# KiCad board mse-68-hd-panel.kicad_pcb (continued)
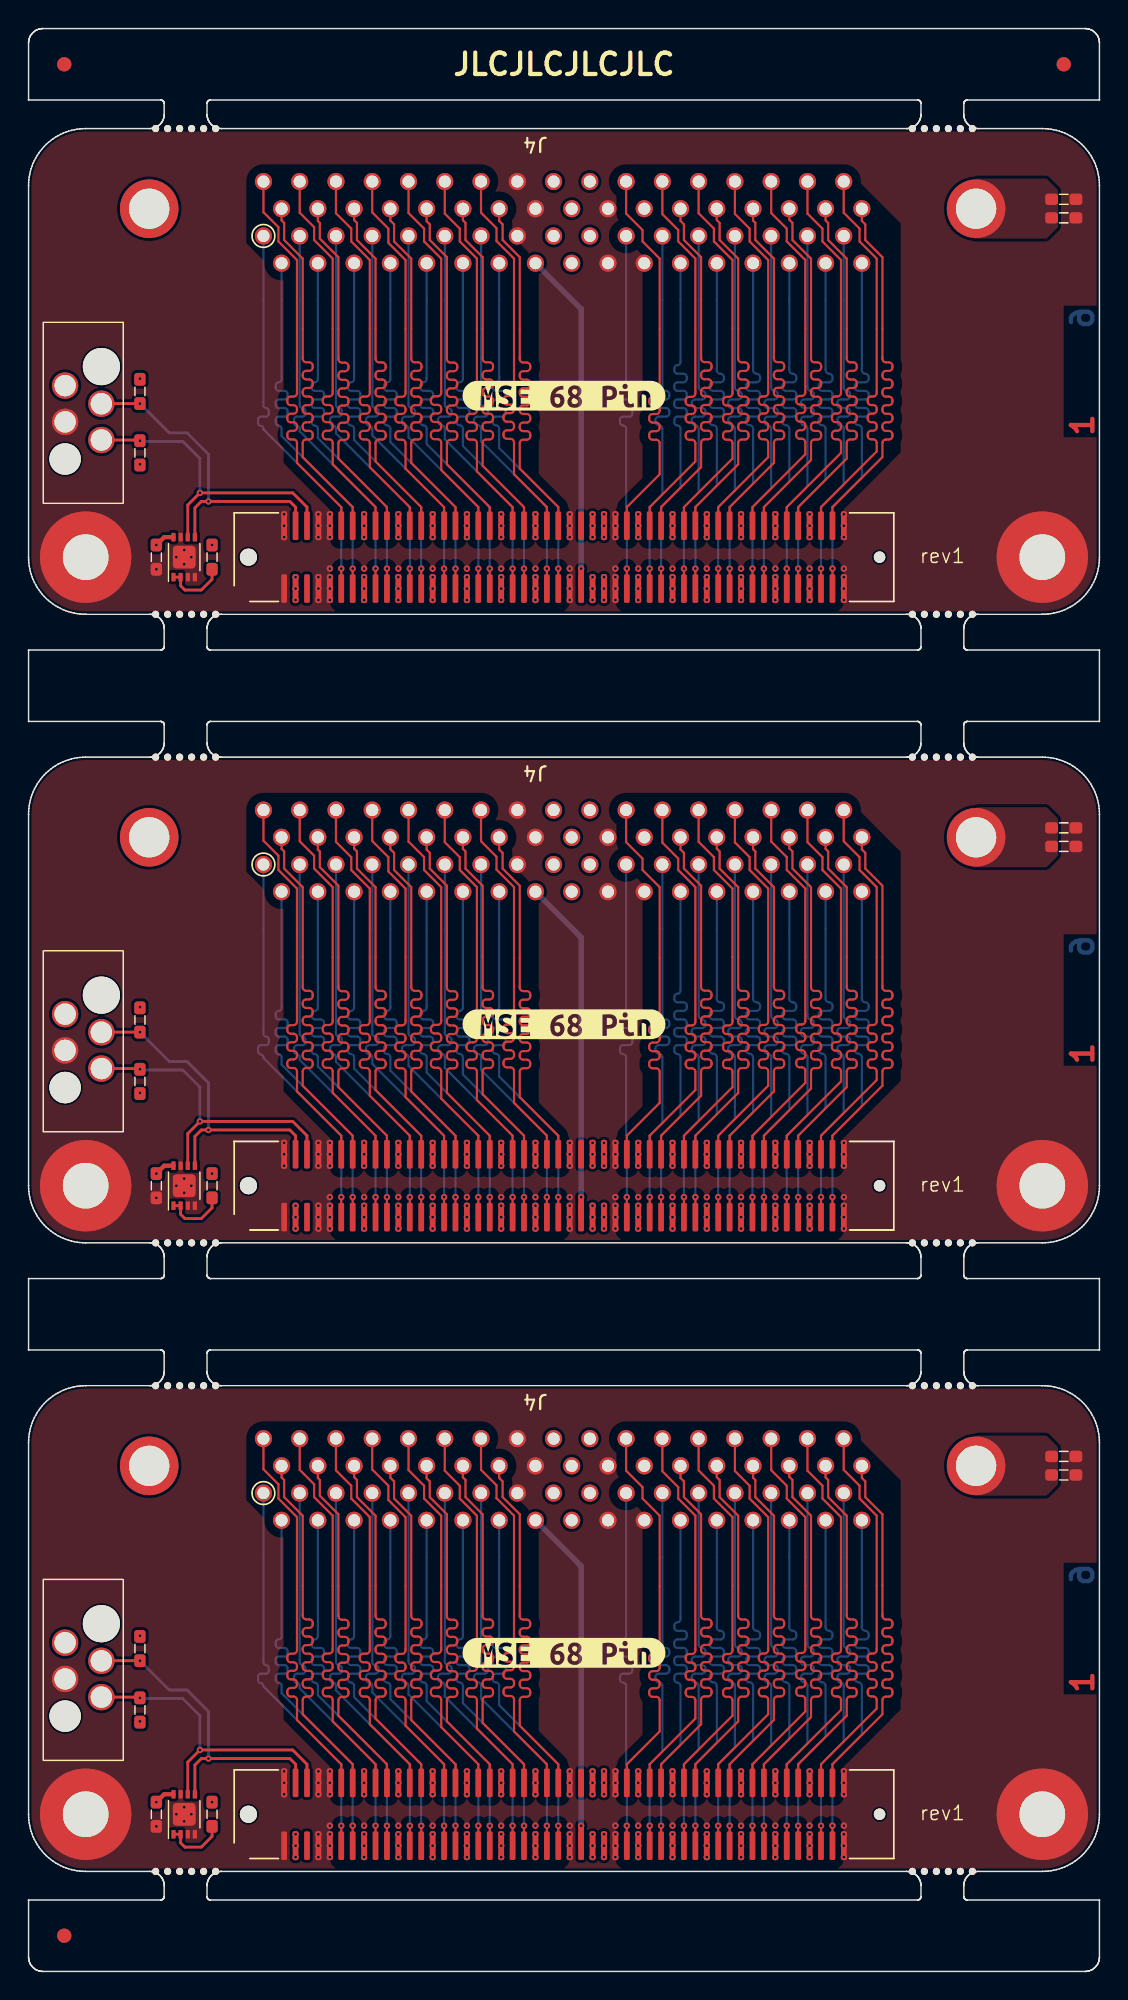
[diagram p0: board, top side]
## Routing (per net, layer and track width the routed paths; a pad name or vN(x,y) marks a point on that pad's centre or on a via; arc(x,y) is an arc through that point)
Board_0-+3V3: length 1.4
  Top w0.3: U1.8 9.5,100.4 v1(8.95,99.85)
  vias: v1(7.8,111.5) v1(7.8,105.5) v1(12.85,99.85) v1(18.7,97.6) v1(18.7,96.8) v1(18.7,96)
Board_0-/CON.ACK+: length 27.9
  Top w0.151: J1#2.67 v1(44.3,98.2)
  Bottom w0.151: J4.24 45.66,112.66 arc(45.6,112.51) 45.44,112.44 arc(45.29,112.38) 45.23,112.23 45.23,112.06 arc(45.29,111.91) 45.44,111.84 45.88,111.84 arc(46.03,111.78) 46.1,111.62 46.1,111.46 arc(46.03,111.31) 45.88,111.24 45.44,111.24 arc(45.29,111.18) 45.22,111.02 45.22,110.86 arc(45.29,110.71) 45.44,110.64 45.88,110.64 arc(46.03,110.58) 46.1,110.42 46.1,110.26 arc(46.03,110.11) 45.88,110.04 45.44,110.04 arc(45.29,109.98) 45.22,109.82 45.22,109.66 arc(45.29,109.51) 45.44,109.44 45.88,109.44 arc(46.03,109.38) 46.1,109.22 46.1,109.06 arc(46.03,108.91) 45.88,108.84 45.44,108.84 arc(45.29,108.78) 45.23,108.63 45.23,108.43 arc(45.29,108.28) 45.44,108.22 arc(45.6,108.15) 45.66,108 45.66,103.86 44.3,102.5 v1(44.3,98.2)
Board_0-/CON.ACK-: length 29.2
  Top w0.151: J4.58 45.66,122.54 45.9,122.3 45.9,121.2 47.1,120 47.1,112.89 arc(47.17,112.72) 47.34,112.65 47.59,112.65 arc(47.76,112.58) 47.83,112.41 47.83,112.29 arc(47.76,112.12) 47.59,112.05 47.34,112.05 arc(47.17,111.98) 47.1,111.81 47.1,111.69 arc(47.17,111.52) 47.34,111.45 47.59,111.45 arc(47.76,111.38) 47.83,111.21 47.83,111.09 arc(47.76,110.92) 47.59,110.85 47.34,110.85 arc(47.17,110.78) 47.1,110.61 47.1,110.49 arc(47.17,110.32) 47.34,110.25 47.59,110.25 arc(47.76,110.18) 47.83,110.01 47.83,109.89 arc(47.76,109.72) 47.59,109.65 47.34,109.65 arc(47.17,109.58) 47.1,109.41 47.1,109.29 arc(47.17,109.12) 47.34,109.05 47.59,109.05 arc(47.76,108.98) 47.83,108.81 47.83,108.69 arc(47.76,108.52) 47.59,108.45 47.34,108.45 arc(47.17,108.38) 47.1,108.21 47.1,108.09 arc(47.17,107.92) 47.34,107.85 47.59,107.85 arc(47.76,107.78) 47.83,107.61 47.83,107.49 arc(47.76,107.32) 47.59,107.25 47.34,107.25 arc(47.17,107.18) 47.1,107.01 47.1,105.3 44.3,102.5 J1#2.68
Board_0-/CON.ATN+: length 27.9
  Top w0.151: J1#2.61 v1(41.9,98.2)
  Bottom w0.151: v1(41.9,98.2) 41.9,102.5 41.85,102.55 41.85,108 arc(41.79,108.15) 41.63,108.22 arc(41.48,108.28) 41.42,108.43 41.42,108.63 arc(41.48,108.78) 41.63,108.84 42.07,108.84 arc(42.22,108.91) 42.29,109.06 42.29,109.22 arc(42.22,109.38) 42.07,109.44 41.63,109.44 arc(41.48,109.51) 41.41,109.66 41.41,109.82 arc(41.48,109.98) 41.63,110.04 42.07,110.04 arc(42.22,110.11) 42.29,110.26 42.29,110.42 arc(42.22,110.58) 42.07,110.64 41.63,110.64 arc(41.48,110.71) 41.42,110.86 41.42,111.03 arc(41.48,111.18) 41.63,111.24 arc(41.79,111.31) 41.85,111.46 J4.21
Board_0-/CON.ATN-: length 29.2
  Top w0.151: J4.55 41.85,123.05 43,121.9 43,121.1 44.2,119.9 44.2,110.46 arc(44.13,110.29) 43.96,110.22 43.7,110.22 arc(43.53,110.15) 43.46,109.98 43.46,109.86 arc(43.53,109.69) 43.7,109.62 43.96,109.62 arc(44.13,109.55) 44.2,109.38 44.2,109.26 arc(44.13,109.09) 43.96,109.02 43.7,109.02 arc(43.53,108.95) 43.46,108.78 43.46,108.66 arc(43.53,108.49) 43.7,108.42 43.96,108.42 arc(44.13,108.35) 44.2,108.18 44.2,108.06 arc(44.13,107.89) 43.96,107.82 43.7,107.82 arc(43.53,107.75) 43.46,107.58 43.46,107.46 arc(43.53,107.29) 43.7,107.22 43.96,107.22 arc(44.13,107.15) 44.2,106.98 44.2,104.8 41.9,102.5 J1#2.62
Board_0-/CON.BSY+: length 27.9
  Top w0.151: J1#2.65 v1(43.5,98.2)
  Bottom w0.151: v1(43.5,98.2) 43.5,102.5 44.39,103.39 44.39,108 arc(44.32,108.17) 44.15,108.24 44.14,108.24 arc(43.97,108.31) 43.9,108.48 43.9,108.6 arc(43.97,108.77) 44.14,108.84 44.64,108.84 arc(44.81,108.91) 44.88,109.08 44.88,109.2 arc(44.81,109.37) 44.64,109.44 44.14,109.44 arc(43.97,109.51) 43.9,109.68 43.9,109.8 arc(43.97,109.97) 44.14,110.04 44.64,110.04 arc(44.81,110.11) 44.88,110.28 44.88,110.4 arc(44.81,110.57) 44.64,110.64 44.63,110.64 arc(44.46,110.71) 44.39,110.88 J4.23
Board_0-/CON.BSY-: length 29.2
  Top w0.151: J4.57 44.39,123.01 45.5,121.9 45.5,121.1 46.7,119.9 46.7,110.46 arc(46.63,110.29) 46.46,110.22 46.26,110.22 arc(46.09,110.15) 46.02,109.98 46.02,109.86 arc(46.09,109.69) 46.26,109.62 46.46,109.62 arc(46.63,109.55) 46.7,109.38 46.7,109.26 arc(46.63,109.09) 46.46,109.02 46.26,109.02 arc(46.09,108.95) 46.02,108.78 46.02,108.66 arc(46.09,108.49) 46.26,108.42 46.46,108.42 arc(46.63,108.35) 46.7,108.18 46.7,108.06 arc(46.63,107.89) 46.46,107.82 46.26,107.82 arc(46.09,107.75) 46.02,107.58 46.02,107.46 arc(46.09,107.29) 46.26,107.22 46.46,107.22 arc(46.63,107.15) 46.7,106.98 46.7,105.7 43.5,102.5 J1#2.66
Board_0-/CON.C/D+: length 27.9
  Top w0.151: J1#2.79 v1(49.1,98.2)
  Bottom w0.151: J4.28 50.74,112.08 arc(50.81,111.91) 50.98,111.84 50.99,111.84 arc(51.16,111.77) 51.23,111.6 51.23,111.48 arc(51.16,111.31) 50.99,111.24 50.49,111.24 arc(50.32,111.17) 50.25,111 50.25,110.88 arc(50.32,110.71) 50.49,110.64 50.99,110.64 arc(51.16,110.57) 51.23,110.4 51.23,110.28 arc(51.16,110.11) 50.99,110.04 50.49,110.04 arc(50.32,109.97) 50.25,109.8 50.25,109.68 arc(50.32,109.51) 50.49,109.44 50.99,109.44 arc(51.16,109.37) 51.23,109.2 51.23,109.08 arc(51.16,108.91) 50.99,108.84 50.49,108.84 arc(50.32,108.77) 50.25,108.6 50.25,108.48 arc(50.32,108.31) 50.49,108.24 50.5,108.24 arc(50.67,108.17) 50.74,108 50.74,104.14 49.1,102.5 v1(49.1,98.2)
Board_0-/CON.C/D-: length 29.2
  Top w0.151: J1#2.80 49.1,102.5 52.2,105.6 52.2,107.01 arc(52.27,107.18) 52.44,107.25 52.68,107.25 arc(52.85,107.32) 52.92,107.49 52.92,107.61 arc(52.85,107.78) 52.68,107.85 52.44,107.85 arc(52.27,107.92) 52.2,108.09 52.2,108.21 arc(52.27,108.38) 52.44,108.45 52.68,108.45 arc(52.85,108.52) 52.92,108.69 52.92,108.81 arc(52.85,108.98) 52.68,109.05 52.44,109.05 arc(52.27,109.12) 52.2,109.29 52.2,109.41 arc(52.27,109.58) 52.44,109.65 52.68,109.65 arc(52.85,109.72) 52.92,109.89 52.92,110.01 arc(52.85,110.18) 52.68,110.25 52.44,110.25 arc(52.27,110.32) 52.2,110.49 52.2,110.61 arc(52.27,110.78) 52.44,110.85 52.68,110.85 arc(52.85,110.92) 52.92,111.09 52.92,111.21 arc(52.85,111.38) 52.68,111.45 52.44,111.45 arc(52.27,111.52) 52.2,111.69 52.2,111.81 arc(52.27,111.98) 52.44,112.05 52.68,112.05 arc(52.85,112.12) 52.92,112.29 52.92,112.41 arc(52.85,112.58) 52.68,112.65 52.44,112.65 arc(52.27,112.72) 52.2,112.89 52.2,119.9 50.9,121.2 50.9,122.4 50.74,122.56 J4.62
Board_0-/CON.DB0+: length 27.9
  Top w0.151: J1#2.25 v1(27.5,98.2)
  Bottom w0.151: v1(27.5,98.2) 27.5,102.5 22.8,107.2 22.8,108 arc(22.74,108.15) 22.59,108.22 arc(22.43,108.28) 22.37,108.43 22.37,108.63 arc(22.43,108.78) 22.59,108.84 23.02,108.84 arc(23.17,108.91) 23.24,109.06 23.24,109.22 arc(23.17,109.38) 23.02,109.44 22.58,109.44 arc(22.43,109.51) 22.36,109.66 22.36,109.82 arc(22.43,109.98) 22.58,110.04 23.02,110.04 arc(23.17,110.11) 23.24,110.26 23.24,110.42 arc(23.17,110.58) 23.02,110.64 22.59,110.64 arc(22.43,110.7) 22.37,110.86 22.37,111.03 arc(22.43,111.18) 22.59,111.24 arc(22.74,111.3) 22.8,111.46 J4.6
Board_0-/CON.DB0-: length 29.2
  Top w0.151: J4.40 22.8,122.6 23,122.4 23,121.2 24.3,119.9 24.3,112.88 arc(24.37,112.71) 24.54,112.64 24.77,112.64 arc(24.94,112.57) 25.01,112.4 25.01,112.28 arc(24.94,112.11) 24.77,112.04 24.54,112.04 arc(24.37,111.97) 24.3,111.8 24.3,111.68 arc(24.37,111.51) 24.54,111.44 24.77,111.44 arc(24.94,111.37) 25.01,111.2 25.01,111.08 arc(24.94,110.91) 24.77,110.84 24.54,110.84 arc(24.37,110.77) 24.3,110.6 24.3,110.48 arc(24.37,110.31) 24.54,110.24 24.77,110.24 arc(24.94,110.17) 25.01,110 25.01,109.88 arc(24.94,109.71) 24.77,109.64 24.54,109.64 arc(24.37,109.57) 24.3,109.4 24.3,109.28 arc(24.37,109.11) 24.54,109.04 24.77,109.04 arc(24.94,108.97) 25.01,108.8 25.01,108.68 arc(24.94,108.51) 24.77,108.44 24.54,108.44 arc(24.37,108.37) 24.3,108.2 24.3,108.08 arc(24.37,107.91) 24.54,107.84 24.77,107.84 arc(24.94,107.77) 25.01,107.6 25.01,107.48 arc(24.94,107.31) 24.77,107.24 24.54,107.24 arc(24.37,107.17) 24.3,107 24.3,105.7 27.5,102.5 J1#2.26
Board_0-/CON.DB1+: length 27.9
  Top w0.151: J1#2.29 v1(29.1,98.2)
  Bottom w0.151: v1(29.1,98.2) 29.1,102.5 24.07,107.53 24.07,108 arc(24.01,108.16) 23.85,108.22 arc(23.7,108.28) 23.64,108.44 23.64,108.62 arc(23.7,108.78) 23.85,108.84 24.29,108.84 arc(24.44,108.91) 24.5,109.06 24.5,109.22 arc(24.44,109.38) 24.29,109.44 arc(24.13,109.51) 24.07,109.66 J4.7
Board_0-/CON.DB1-: length 29.2
  Top w0.151: J4.41 24.07,123.13 25.2,122 25.2,121 26.4,119.8 26.4,110.47 arc(26.33,110.3) 26.16,110.23 25.93,110.23 arc(25.76,110.16) 25.69,109.99 25.69,109.87 arc(25.76,109.7) 25.93,109.63 26.16,109.63 arc(26.33,109.56) 26.4,109.39 26.4,109.27 arc(26.33,109.1) 26.16,109.03 25.93,109.03 arc(25.76,108.96) 25.69,108.79 25.69,108.67 arc(25.76,108.5) 25.93,108.43 26.16,108.43 arc(26.33,108.36) 26.4,108.19 26.4,108.07 arc(26.33,107.9) 26.16,107.83 25.93,107.83 arc(25.76,107.76) 25.69,107.59 25.69,107.47 arc(25.76,107.3) 25.93,107.23 26.16,107.23 arc(26.33,107.16) 26.4,106.99 26.4,105.2 29.1,102.5 J1#2.30
Board_0-/CON.DB2+: length 27.9
  Top w0.151: J1#2.31 v1(29.9,98.2)
  Bottom w0.151: v1(29.9,98.2) 29.9,102.5 25.34,107.06 25.34,108 arc(25.28,108.16) 25.12,108.22 arc(24.97,108.29) 24.9,108.44 24.9,108.62 arc(24.97,108.78) 25.12,108.84 25.56,108.84 arc(25.72,108.91) 25.78,109.06 25.78,109.22 arc(25.72,109.38) 25.56,109.44 25.12,109.44 arc(24.96,109.51) 24.9,109.66 24.9,109.82 arc(24.96,109.98) 25.12,110.04 25.56,110.04 arc(25.72,110.11) 25.78,110.26 25.78,110.42 arc(25.72,110.58) 25.56,110.64 25.12,110.64 arc(24.97,110.71) 24.9,110.86 24.9,111.02 arc(24.97,111.18) 25.12,111.24 arc(25.28,111.31) 25.34,111.46 J4.8
Board_0-/CON.DB2-: length 29.2
  Top w0.151: J4.42 25.34,122.56 25.6,122.3 25.6,121.1 26.8,119.9 26.8,112.88 arc(26.87,112.71) 27.04,112.64 27.28,112.64 arc(27.45,112.57) 27.52,112.4 27.52,112.28 arc(27.45,112.11) 27.28,112.04 27.04,112.04 arc(26.87,111.97) 26.8,111.8 26.8,111.68 arc(26.87,111.51) 27.04,111.44 27.28,111.44 arc(27.45,111.37) 27.52,111.2 27.52,111.08 arc(27.45,110.91) 27.28,110.84 27.04,110.84 arc(26.87,110.77) 26.8,110.6 26.8,110.48 arc(26.87,110.31) 27.04,110.24 27.28,110.24 arc(27.45,110.17) 27.52,110 27.52,109.88 arc(27.45,109.71) 27.28,109.64 27.04,109.64 arc(26.87,109.57) 26.8,109.4 26.8,109.28 arc(26.87,109.11) 27.04,109.04 27.28,109.04 arc(27.45,108.97) 27.52,108.8 27.52,108.68 arc(27.45,108.51) 27.28,108.44 27.04,108.44 arc(26.87,108.37) 26.8,108.2 26.8,108.08 arc(26.87,107.91) 27.04,107.84 27.28,107.84 arc(27.45,107.77) 27.52,107.6 27.52,107.48 arc(27.45,107.31) 27.28,107.24 27.04,107.24 arc(26.87,107.17) 26.8,107 26.8,105.6 29.9,102.5 J1#2.32
Board_0-/CON.DB3+: length 27.9
  Top w0.151: J1#2.35 v1(31.5,98.2)
  Bottom w0.151: J4.9 26.61,109.67 arc(26.68,109.51) 26.84,109.44 arc(27,109.38) 27.07,109.21 27.07,109.07 arc(27,108.91) 26.84,108.84 26.38,108.84 arc(26.22,108.78) 26.15,108.61 26.15,108.46 arc(26.22,108.3) 26.38,108.23 arc(26.54,108.16) 26.61,108 26.61,107.39 31.5,102.5 v1(31.5,98.2)
Board_0-/CON.DB3-: length 29.2
  Top w0.151: J1#2.36 31.5,102.5 28.9,105.1 28.9,107.02 arc(28.83,107.19) 28.66,107.26 28.42,107.26 arc(28.25,107.33) 28.18,107.5 28.18,107.62 arc(28.25,107.79) 28.42,107.86 28.66,107.86 arc(28.83,107.93) 28.9,108.1 28.9,108.22 arc(28.83,108.39) 28.66,108.46 28.42,108.46 arc(28.25,108.53) 28.18,108.7 28.18,108.82 arc(28.25,108.99) 28.42,109.06 28.66,109.06 arc(28.83,109.13) 28.9,109.3 28.9,109.42 arc(28.83,109.59) 28.66,109.66 28.42,109.66 arc(28.25,109.73) 28.18,109.9 28.18,110.02 arc(28.25,110.19) 28.42,110.26 28.66,110.26 arc(28.83,110.33) 28.9,110.5 28.9,119.9 27.7,121.1 27.7,122 26.61,123.09 J4.43
Board_0-/CON.DB4+: length 27.9
  Top w0.151: J1#2.37 v1(32.3,98.2)
  Bottom w0.151: v1(32.3,98.2) 32.3,102.5 27.88,106.92 27.88,108 arc(27.81,108.16) 27.66,108.23 arc(27.5,108.29) 27.43,108.45 27.43,108.62 arc(27.5,108.78) 27.66,108.84 28.11,108.84 arc(28.27,108.91) 28.33,109.07 28.33,109.22 arc(28.27,109.38) 28.11,109.44 27.65,109.44 arc(27.49,109.51) 27.43,109.67 27.43,109.82 arc(27.49,109.98) 27.65,110.04 28.11,110.04 arc(28.27,110.11) 28.33,110.27 28.33,110.42 arc(28.27,110.58) 28.11,110.64 27.66,110.64 arc(27.5,110.71) 27.43,110.87 27.43,111.02 arc(27.5,111.18) 27.66,111.24 arc(27.81,111.31) 27.88,111.47 J4.10
Board_0-/CON.DB4-: length 29.2
  Top w0.151: J1#2.38 32.3,102.5 29.3,105.5 29.3,106.98 arc(29.37,107.15) 29.54,107.22 29.78,107.22 arc(29.95,107.29) 30.02,107.46 30.02,107.58 arc(29.95,107.75) 29.78,107.82 29.54,107.82 arc(29.37,107.89) 29.3,108.06 29.3,108.18 arc(29.37,108.35) 29.54,108.42 29.78,108.42 arc(29.95,108.49) 30.02,108.66 30.02,108.78 arc(29.95,108.95) 29.78,109.02 29.54,109.02 arc(29.37,109.09) 29.3,109.26 29.3,109.38 arc(29.37,109.55) 29.54,109.62 29.78,109.62 arc(29.95,109.69) 30.02,109.86 30.02,109.98 arc(29.95,110.15) 29.78,110.22 29.54,110.22 arc(29.37,110.29) 29.3,110.46 29.3,110.58 arc(29.37,110.75) 29.54,110.82 29.78,110.82 arc(29.95,110.89) 30.02,111.06 30.02,111.18 arc(29.95,111.35) 29.78,111.42 29.54,111.42 arc(29.37,111.49) 29.3,111.66 29.3,111.78 arc(29.37,111.95) 29.54,112.02 29.78,112.02 arc(29.95,112.09) 30.02,112.26 30.02,112.38 arc(29.95,112.55) 29.78,112.62 29.54,112.62 arc(29.37,112.69) 29.3,112.86 29.3,120 28.1,121.2 28.1,122.3 27.88,122.52 J4.44
Board_0-/CON.DB5+: length 27.9
  Top w0.151: J1#2.41 v1(33.9,98.2)
  Bottom w0.151: v1(33.9,98.2) 33.9,102.5 29.15,107.25 29.15,108 arc(29.08,108.17) 28.91,108.24 arc(28.74,108.31) 28.67,108.48 28.67,108.6 arc(28.74,108.77) 28.91,108.84 29.39,108.84 arc(29.56,108.91) 29.63,109.08 29.63,109.2 arc(29.56,109.37) 29.39,109.44 arc(29.22,109.51) 29.15,109.68 J4.11
Board_0-/CON.DB5-: length 29.2
  Top w0.151: J4.45 29.15,123.05 30.2,122 30.2,121.1 31.4,119.9 31.4,110.47 arc(31.33,110.3) 31.16,110.23 30.91,110.23 arc(30.74,110.16) 30.67,109.99 30.67,109.87 arc(30.74,109.7) 30.91,109.63 31.16,109.63 arc(31.33,109.56) 31.4,109.39 31.4,109.27 arc(31.33,109.1) 31.16,109.03 30.91,109.03 arc(30.74,108.96) 30.67,108.79 30.67,108.67 arc(30.74,108.5) 30.91,108.43 31.16,108.43 arc(31.33,108.36) 31.4,108.19 31.4,108.07 arc(31.33,107.9) 31.16,107.83 30.91,107.83 arc(30.74,107.76) 30.67,107.59 30.67,107.47 arc(30.74,107.3) 30.91,107.23 31.16,107.23 arc(31.33,107.16) 31.4,106.99 31.4,105 33.9,102.5 J1#2.42
Board_0-/CON.DB6+: length 27.9
  Top w0.151: J1#2.43 v1(34.7,98.2)
  Bottom w0.151: J4.12 30.42,111.47 arc(30.35,111.31) 30.19,111.24 arc(30.03,111.18) 29.96,111.01 29.96,110.87 arc(30.03,110.71) 30.19,110.64 30.65,110.64 arc(30.81,110.57) 30.88,110.41 30.88,110.27 arc(30.81,110.11) 30.65,110.04 30.19,110.04 arc(30.03,109.97) 29.96,109.81 29.96,109.67 arc(30.03,109.51) 30.19,109.44 30.65,109.44 arc(30.81,109.37) 30.88,109.21 30.88,109.07 arc(30.81,108.91) 30.65,108.84 30.19,108.84 arc(30.03,108.78) 29.96,108.61 29.96,108.46 arc(30.03,108.3) 30.19,108.23 arc(30.35,108.16) 30.42,108 30.42,106.78 34.7,102.5 v1(34.7,98.2)
Board_0-/CON.DB6-: length 29.2
  Top w0.151: J4.46 30.42,122.58 30.6,122.4 30.6,121.2 31.8,120 31.8,112.88 arc(31.87,112.71) 32.04,112.64 32.29,112.64 arc(32.46,112.57) 32.53,112.4 32.53,112.28 arc(32.46,112.11) 32.29,112.04 32.04,112.04 arc(31.87,111.97) 31.8,111.8 31.8,111.68 arc(31.87,111.51) 32.04,111.44 32.29,111.44 arc(32.46,111.37) 32.53,111.2 32.53,111.08 arc(32.46,110.91) 32.29,110.84 32.04,110.84 arc(31.87,110.77) 31.8,110.6 31.8,110.48 arc(31.87,110.31) 32.04,110.24 32.29,110.24 arc(32.46,110.17) 32.53,110 32.53,109.88 arc(32.46,109.71) 32.29,109.64 32.04,109.64 arc(31.87,109.57) 31.8,109.4 31.8,109.28 arc(31.87,109.11) 32.04,109.04 32.29,109.04 arc(32.46,108.97) 32.53,108.8 32.53,108.68 arc(32.46,108.51) 32.29,108.44 32.04,108.44 arc(31.87,108.37) 31.8,108.2 31.8,108.08 arc(31.87,107.91) 32.04,107.84 32.29,107.84 arc(32.46,107.77) 32.53,107.6 32.53,107.48 arc(32.46,107.31) 32.29,107.24 32.04,107.24 arc(31.87,107.17) 31.8,107 31.8,105.4 34.7,102.5 J1#2.44
Board_0-/CON.DB7+: length 27.9
  Top w0.151: J1#2.47 v1(36.3,98.2)
  Bottom w0.151: J4.13 31.69,109.68 arc(31.76,109.51) 31.93,109.44 31.94,109.44 arc(32.11,109.37) 32.18,109.2 32.18,109.08 arc(32.11,108.91) 31.94,108.84 31.44,108.84 arc(31.27,108.77) 31.2,108.6 31.2,108.48 arc(31.27,108.31) 31.44,108.24 31.45,108.24 arc(31.62,108.17) 31.69,108 31.69,107.11 36.3,102.5 v1(36.3,98.2)
Board_0-/CON.DB7-: length 29.2
  Top w0.151: J4.47 31.69,123.11 32.77,122.03 32.77,121.13 34,119.9 34,110.52 arc(33.93,110.35) 33.76,110.28 33.5,110.28 arc(33.33,110.21) 33.26,110.04 33.26,109.92 arc(33.33,109.75) 33.5,109.68 33.76,109.68 arc(33.93,109.61) 34,109.44 34,109.32 arc(33.93,109.15) 33.76,109.08 33.5,109.08 arc(33.33,109.01) 33.26,108.84 33.26,108.72 arc(33.33,108.55) 33.5,108.48 33.76,108.48 arc(33.93,108.41) 34,108.24 34,108.12 arc(33.93,107.95) 33.76,107.88 33.5,107.88 arc(33.33,107.81) 33.26,107.64 33.26,107.52 arc(33.33,107.35) 33.5,107.28 33.76,107.28 arc(33.93,107.21) 34,107.04 34,104.8 36.3,102.5 J1#2.48
Board_0-/CON.DB8+: length 27.9
  Top w0.151: J1#2.89 v1(53.1,98.2)
  Bottom w0.151: v1(53.1,98.2) 53.1,102.5 54.55,103.95 54.55,108 arc(54.48,108.16) 54.32,108.23 arc(54.16,108.29) 54.1,108.45 54.1,108.62 arc(54.16,108.78) 54.32,108.84 54.78,108.84 arc(54.94,108.91) 55.01,109.07 55.01,109.21 arc(54.94,109.38) 54.78,109.44 54.32,109.44 arc(54.16,109.51) 54.09,109.67 54.09,109.81 arc(54.16,109.98) 54.32,110.04 54.78,110.04 arc(54.94,110.11) 55,110.27 55,110.42 arc(54.94,110.58) 54.78,110.64 arc(54.62,110.71) 54.55,110.87 J4.31
Board_0-/CON.DB8-: length 29.2
  Top w0.151: J4.65 54.55,123.05 55.6,122 55.6,121.1 56.9,119.8 56.9,110.49 arc(56.83,110.32) 56.66,110.25 56.51,110.25 arc(56.34,110.18) 56.27,110.01 56.27,109.89 arc(56.34,109.72) 56.51,109.65 56.66,109.65 arc(56.83,109.58) 56.9,109.41 56.9,109.29 arc(56.83,109.12) 56.66,109.05 56.51,109.05 arc(56.34,108.98) 56.27,108.81 56.27,108.69 arc(56.34,108.52) 56.51,108.45 56.66,108.45 arc(56.83,108.38) 56.9,108.21 56.9,108.09 arc(56.83,107.92) 56.66,107.85 56.51,107.85 arc(56.34,107.78) 56.27,107.61 56.27,107.49 arc(56.34,107.32) 56.51,107.25 56.66,107.25 arc(56.83,107.18) 56.9,107.01 56.9,106.3 53.1,102.5 J1#2.90
Board_0-/CON.DB9+: length 27.9
  Top w0.151: J1#2.91 v1(53.9,98.2)
  Bottom w0.151: J4.32 55.82,112.08 arc(55.89,111.91) 56.06,111.84 56.06,111.84 arc(56.23,111.77) 56.3,111.6 56.3,111.48 arc(56.23,111.31) 56.06,111.24 55.58,111.24 arc(55.41,111.17) 55.34,111 55.34,110.88 arc(55.41,110.71) 55.58,110.64 56.06,110.64 arc(56.23,110.57) 56.3,110.4 56.3,110.28 arc(56.23,110.11) 56.06,110.04 55.58,110.04 arc(55.41,109.97) 55.34,109.8 55.34,109.68 arc(55.41,109.51) 55.58,109.44 56.06,109.44 arc(56.23,109.37) 56.3,109.2 56.3,109.08 arc(56.23,108.91) 56.06,108.84 55.58,108.84 arc(55.41,108.77) 55.34,108.6 55.34,108.48 arc(55.41,108.31) 55.58,108.24 55.58,108.24 arc(55.75,108.17) 55.82,108 55.82,104.42 53.9,102.5 v1(53.9,98.2)
Board_0-/CON.DB9-: length 29.2
  Top w0.151: J4.66 55.82,122.58 56,122.4 56,121.2 57.3,119.9 57.3,112.88 arc(57.37,112.71) 57.54,112.64 57.77,112.64 arc(57.94,112.57) 58.01,112.4 58.01,112.28 arc(57.94,112.11) 57.77,112.04 57.54,112.04 arc(57.37,111.97) 57.3,111.8 57.3,111.68 arc(57.37,111.51) 57.54,111.44 57.77,111.44 arc(57.94,111.37) 58.01,111.2 58.01,111.08 arc(57.94,110.91) 57.77,110.84 57.54,110.84 arc(57.37,110.77) 57.3,110.6 57.3,110.48 arc(57.37,110.31) 57.54,110.24 57.77,110.24 arc(57.94,110.17) 58.01,110 58.01,109.88 arc(57.94,109.71) 57.77,109.64 57.54,109.64 arc(57.37,109.57) 57.3,109.4 57.3,109.28 arc(57.37,109.11) 57.54,109.04 57.77,109.04 arc(57.94,108.97) 58.01,108.8 58.01,108.68 arc(57.94,108.51) 57.77,108.44 57.54,108.44 arc(57.37,108.37) 57.3,108.2 57.3,108.08 arc(57.37,107.91) 57.54,107.84 57.77,107.84 arc(57.94,107.77) 58.01,107.6 58.01,107.48 arc(57.94,107.31) 57.77,107.24 57.54,107.24 arc(57.37,107.17) 57.3,107 57.3,105.9 53.9,102.5 J1#2.92
Board_0-/CON.DB10+: length 27.9
  Top w0.151: J1#2.95 v1(55.5,98.2)
  Bottom w0.151: v1(55.5,98.2) 55.5,102.5 57.09,104.09 57.09,108 arc(57.03,108.16) 56.87,108.22 arc(56.71,108.29) 56.65,108.44 56.65,108.62 arc(56.71,108.78) 56.87,108.84 57.31,108.84 arc(57.47,108.91) 57.54,109.07 57.54,109.22 arc(57.47,109.38) 57.31,109.44 56.87,109.44 arc(56.71,109.51) 56.64,109.67 56.64,109.82 arc(56.71,109.98) 56.87,110.04 57.31,110.04 arc(57.47,110.11) 57.53,110.26 57.53,110.42 arc(57.47,110.58) 57.31,110.64 arc(57.15,110.71) 57.09,110.86 J4.33
Board_0-/CON.DB10-: length 29.2
  Top w0.151: J4.67 57.09,123.11 58.2,122 58.2,121.1 59.4,119.9 59.4,110.49 arc(59.33,110.32) 59.16,110.25 59.01,110.25 arc(58.84,110.18) 58.77,110.01 58.77,109.89 arc(58.84,109.72) 59.01,109.65 59.16,109.65 arc(59.33,109.58) 59.4,109.41 59.4,109.29 arc(59.33,109.12) 59.16,109.05 59.01,109.05 arc(58.84,108.98) 58.77,108.81 58.77,108.69 arc(58.84,108.52) 59.01,108.45 59.16,108.45 arc(59.33,108.38) 59.4,108.21 59.4,108.09 arc(59.33,107.92) 59.16,107.85 59.01,107.85 arc(58.84,107.78) 58.77,107.61 58.77,107.49 arc(58.84,107.32) 59.01,107.25 59.16,107.25 arc(59.33,107.18) 59.4,107.01 59.4,106.4 55.5,102.5 J1#2.96
Board_0-/CON.DB11+: length 27.9
  Top w0.151: J1#2.97 v1(56.3,98.2)
  Bottom w0.151: v1(56.3,98.2) 56.3,102.5 58.36,104.56 58.36,108 arc(58.29,108.17) 58.12,108.24 arc(57.95,108.31) 57.88,108.48 57.88,108.6 arc(57.95,108.77) 58.12,108.84 58.6,108.84 arc(58.77,108.91) 58.84,109.08 58.84,109.2 arc(58.77,109.37) 58.6,109.44 58.12,109.44 arc(57.95,109.51) 57.88,109.68 57.88,109.8 arc(57.95,109.97) 58.12,110.04 58.6,110.04 arc(58.77,110.11) 58.84,110.28 58.84,110.4 arc(58.77,110.57) 58.6,110.64 58.12,110.64 arc(57.95,110.71) 57.88,110.88 57.88,111 arc(57.95,111.17) 58.12,111.24 58.6,111.24 arc(58.77,111.31) 58.84,111.48 58.84,111.6 arc(58.77,111.77) 58.6,111.84 arc(58.43,111.91) 58.36,112.08 J4.34
Board_0-/CON.DB11-: length 29.2
  Top w0.151: J1#2.98 56.3,102.5 59.8,106 59.8,107 arc(59.87,107.17) 60.04,107.24 60.26,107.24 arc(60.43,107.31) 60.5,107.48 60.5,107.6 arc(60.43,107.77) 60.26,107.84 60.04,107.84 arc(59.87,107.91) 59.8,108.08 59.8,108.2 arc(59.87,108.37) 60.04,108.44 60.26,108.44 arc(60.43,108.51) 60.5,108.68 60.5,108.8 arc(60.43,108.97) 60.26,109.04 60.04,109.04 arc(59.87,109.11) 59.8,109.28 59.8,109.4 arc(59.87,109.57) 60.04,109.64 60.26,109.64 arc(60.43,109.71) 60.5,109.88 60.5,110 arc(60.43,110.17) 60.26,110.24 60.04,110.24 arc(59.87,110.31) 59.8,110.48 59.8,110.6 arc(59.87,110.77) 60.04,110.84 60.26,110.84 arc(60.43,110.91) 60.5,111.08 60.5,111.2 arc(60.43,111.37) 60.26,111.44 60.04,111.44 arc(59.87,111.51) 59.8,111.68 59.8,111.8 arc(59.87,111.97) 60.04,112.04 60.26,112.04 arc(60.43,112.11) 60.5,112.28 60.5,112.4 arc(60.43,112.57) 60.26,112.64 60.04,112.64 arc(59.87,112.71) 59.8,112.88 59.8,120 58.6,121.2 58.6,122.3 58.36,122.54 J4.68
Board_0-/CON.DB12+: length 27.9
  Top w0.151: J1#2.11 v1(21.9,98.2)
  Bottom w0.151: J4.1 16.45,109.63 arc(16.5,109.5) 16.64,109.44 arc(16.77,109.39) 16.82,109.26 16.82,109.03 arc(16.77,108.9) 16.64,108.84 16.26,108.84 arc(16.13,108.79) 16.08,108.66 16.08,108.37 arc(16.13,108.24) 16.26,108.19 arc(16.4,108.13) 16.45,108 16.45,107.95 21.9,102.5 v1(21.9,98.2)
Board_0-/CON.DB12-: length 29.2
  Top w0.151: J4.35 16.45,123.15 17.5,122.1 17.5,121.1 18.8,119.8 18.8,110.48 arc(18.73,110.31) 18.56,110.24 18.36,110.24 arc(18.19,110.17) 18.12,110 18.12,109.88 arc(18.19,109.71) 18.36,109.64 18.56,109.64 arc(18.73,109.57) 18.8,109.4 18.8,109.28 arc(18.73,109.11) 18.56,109.04 18.36,109.04 arc(18.19,108.97) 18.12,108.8 18.12,108.68 arc(18.19,108.51) 18.36,108.44 18.56,108.44 arc(18.73,108.37) 18.8,108.2 18.8,108.08 arc(18.73,107.91) 18.56,107.84 18.36,107.84 arc(18.19,107.77) 18.12,107.6 18.12,107.48 arc(18.19,107.31) 18.36,107.24 18.56,107.24 arc(18.73,107.17) 18.8,107 18.8,105.6 21.9,102.5 J1#2.12
Board_0-/CON.DB13+: length 27.9
  Top w0.151: J1#2.13 v1(22.7,98.2)
  Bottom w0.151: v1(22.7,98.2) 22.7,102.5 17.72,107.48 17.72,108 arc(17.66,108.15) 17.51,108.21 arc(17.37,108.27) 17.31,108.41 17.31,108.64 arc(17.37,108.78) 17.51,108.84 17.93,108.84 arc(18.08,108.9) 18.14,109.05 18.14,109.23 arc(18.08,109.38) 17.93,109.44 17.51,109.44 arc(17.36,109.5) 17.3,109.65 17.3,109.83 arc(17.36,109.98) 17.51,110.04 17.93,110.04 arc(18.08,110.1) 18.14,110.25 18.14,110.43 arc(18.08,110.58) 17.93,110.64 17.51,110.64 arc(17.37,110.7) 17.31,110.85 17.31,111.04 arc(17.37,111.18) 17.51,111.24 arc(17.66,111.3) 17.72,111.45 J4.2
Board_0-/CON.DB13-: length 29.2
  Top w0.151: J4.36 17.72,122.58 17.9,122.4 17.9,121.2 19.2,119.9 19.2,112.88 arc(19.27,112.71) 19.44,112.64 19.66,112.64 arc(19.83,112.57) 19.9,112.4 19.9,112.28 arc(19.83,112.11) 19.66,112.04 19.44,112.04 arc(19.27,111.97) 19.2,111.8 19.2,111.68 arc(19.27,111.51) 19.44,111.44 19.66,111.44 arc(19.83,111.37) 19.9,111.2 19.9,111.08 arc(19.83,110.91) 19.66,110.84 19.44,110.84 arc(19.27,110.77) 19.2,110.6 19.2,110.48 arc(19.27,110.31) 19.44,110.24 19.66,110.24 arc(19.83,110.17) 19.9,110 19.9,109.88 arc(19.83,109.71) 19.66,109.64 19.44,109.64 arc(19.27,109.57) 19.2,109.4 19.2,109.28 arc(19.27,109.11) 19.44,109.04 19.66,109.04 arc(19.83,108.97) 19.9,108.8 19.9,108.68 arc(19.83,108.51) 19.66,108.44 19.44,108.44 arc(19.27,108.37) 19.2,108.2 19.2,108.08 arc(19.27,107.91) 19.44,107.84 19.66,107.84 arc(19.83,107.77) 19.9,107.6 19.9,107.48 arc(19.83,107.31) 19.66,107.24 19.44,107.24 arc(19.27,107.17) 19.2,107 19.2,106 22.7,102.5 J1#2.14
Board_0-/CON.DB14+: length 27.9
  Top w0.151: J1#2.17 v1(24.3,98.2)
  Bottom w0.151: v1(24.3,98.2) 24.3,102.5 18.99,107.81 18.99,108 arc(18.93,108.14) 18.79,108.2 arc(18.66,108.26) 18.6,108.39 18.6,108.65 arc(18.66,108.78) 18.79,108.84 19.19,108.84 arc(19.32,108.9) 19.38,109.04 19.38,109.25 arc(19.32,109.38) 19.19,109.44 arc(19.05,109.5) 18.99,109.64 J4.3
Board_0-/CON.DB14-: length 29.2
  Top w0.151: J4.37 18.99,123.11 20,122.1 20,121.2 21.3,119.9 21.3,110.49 arc(21.23,110.32) 21.06,110.25 20.85,110.25 arc(20.68,110.18) 20.61,110.01 20.61,109.89 arc(20.68,109.72) 20.85,109.65 21.06,109.65 arc(21.23,109.58) 21.3,109.41 21.3,109.29 arc(21.23,109.12) 21.06,109.05 20.85,109.05 arc(20.68,108.98) 20.61,108.81 20.61,108.69 arc(20.68,108.52) 20.85,108.45 21.06,108.45 arc(21.23,108.38) 21.3,108.21 21.3,108.09 arc(21.23,107.92) 21.06,107.85 20.85,107.85 arc(20.68,107.78) 20.61,107.61 20.61,107.49 arc(20.68,107.32) 20.85,107.25 21.06,107.25 arc(21.23,107.18) 21.3,107.01 21.3,105.5 24.3,102.5 J1#2.18
Board_0-/CON.DB15+: length 27.9
  Top w0.151: J1#2.19 v1(25.1,98.2)
  Bottom w0.151: v1(25.1,98.2) 25.1,102.5 20.26,107.34 20.26,108 arc(20.2,108.15) 20.05,108.21 arc(19.9,108.27) 19.84,108.42 19.84,108.63 arc(19.9,108.78) 20.05,108.84 20.47,108.84 arc(20.63,108.9) 20.69,109.06 20.69,109.23 arc(20.63,109.38) 20.47,109.44 20.05,109.44 arc(19.89,109.5) 19.83,109.66 19.83,109.83 arc(19.89,109.98) 20.05,110.04 20.47,110.04 arc(20.63,110.1) 20.69,110.26 20.69,110.43 arc(20.63,110.58) 20.47,110.64 20.05,110.64 arc(19.9,110.7) 19.84,110.85 19.84,111.03 arc(19.9,111.18) 20.05,111.24 arc(20.2,111.3) 20.26,111.45 J4.4
Board_0-/CON.DB15-: length 29.2
  Top w0.151: J1#2.20 25.1,102.5 21.7,105.9 21.7,106.98 arc(21.77,107.15) 21.94,107.22 22.17,107.22 arc(22.34,107.29) 22.41,107.46 22.41,107.58 arc(22.34,107.75) 22.17,107.82 21.94,107.82 arc(21.77,107.89) 21.7,108.06 21.7,108.18 arc(21.77,108.35) 21.94,108.42 22.17,108.42 arc(22.34,108.49) 22.41,108.66 22.41,108.78 arc(22.34,108.95) 22.17,109.02 21.94,109.02 arc(21.77,109.09) 21.7,109.26 21.7,109.38 arc(21.77,109.55) 21.94,109.62 22.17,109.62 arc(22.34,109.69) 22.41,109.86 22.41,109.98 arc(22.34,110.15) 22.17,110.22 21.94,110.22 arc(21.77,110.29) 21.7,110.46 21.7,110.58 arc(21.77,110.75) 21.94,110.82 22.17,110.82 arc(22.34,110.89) 22.41,111.06 22.41,111.18 arc(22.34,111.35) 22.17,111.42 21.94,111.42 arc(21.77,111.49) 21.7,111.66 21.7,111.78 arc(21.77,111.95) 21.94,112.02 22.17,112.02 arc(22.34,112.09) 22.41,112.26 22.41,112.38 arc(22.34,112.55) 22.17,112.62 21.94,112.62 arc(21.77,112.69) 21.7,112.86 21.7,120 20.4,121.3 20.4,122.4 20.26,122.54 J4.38
Board_0-/CON.DIFFSENSE: length 24.1
  Top w0.4: J1#2.53 v1(38.7,98.2)
  Bottom w0.4: J4.16 38.7,116.38 v1(38.7,98.2)
Board_0-/CON.DP0+: length 27.9
  Top w0.151: J1#2.49 v1(37.1,98.2)
  Bottom w0.151: J4.14 32.96,111.47 arc(32.89,111.31) 32.73,111.24 arc(32.56,111.17) 32.5,111.01 32.5,110.87 arc(32.56,110.71) 32.73,110.64 33.19,110.64 arc(33.36,110.57) 33.43,110.41 33.43,110.27 arc(33.36,110.11) 33.19,110.04 32.73,110.04 arc(32.56,109.97) 32.49,109.81 32.49,109.67 arc(32.56,109.51) 32.73,109.44 33.19,109.44 arc(33.36,109.37) 33.43,109.21 33.43,109.07 arc(33.36,108.91) 33.19,108.84 32.73,108.84 arc(32.56,108.77) 32.5,108.61 32.5,108.47 arc(32.56,108.3) 32.73,108.23 arc(32.89,108.17) 32.96,108 32.96,106.64 37.1,102.5 v1(37.1,98.2)
Board_0-/CON.DP0-: length 29.2
  Top w0.151: J4.48 32.96,122.54 33.2,122.3 33.2,121.2 34.4,120 34.4,112.87 arc(34.47,112.7) 34.64,112.63 34.9,112.63 arc(35.07,112.56) 35.14,112.39 35.14,112.27 arc(35.07,112.1) 34.9,112.03 34.64,112.03 arc(34.47,111.96) 34.4,111.79 34.4,111.67 arc(34.47,111.5) 34.64,111.43 34.9,111.43 arc(35.07,111.36) 35.14,111.19 35.14,111.07 arc(35.07,110.9) 34.9,110.83 34.64,110.83 arc(34.47,110.76) 34.4,110.59 34.4,110.47 arc(34.47,110.3) 34.64,110.23 34.9,110.23 arc(35.07,110.16) 35.14,109.99 35.14,109.87 arc(35.07,109.7) 34.9,109.63 34.64,109.63 arc(34.47,109.56) 34.4,109.39 34.4,109.27 arc(34.47,109.1) 34.64,109.03 34.9,109.03 arc(35.07,108.96) 35.14,108.79 35.14,108.67 arc(35.07,108.5) 34.9,108.43 34.64,108.43 arc(34.47,108.36) 34.4,108.19 34.4,108.07 arc(34.47,107.9) 34.64,107.83 34.9,107.83 arc(35.07,107.76) 35.14,107.59 35.14,107.47 arc(35.07,107.3) 34.9,107.23 34.64,107.23 arc(34.47,107.16) 34.4,106.99 34.4,105.2 37.1,102.5 J1#2.50
Board_0-/CON.DP1+: length 27.9
  Top w0.151: J1#2.23 v1(26.7,98.2)
  Bottom w0.151: J4.5 21.53,109.65 arc(21.59,109.5) 21.74,109.44 arc(21.88,109.38) 21.94,109.24 21.94,109.05 arc(21.88,108.9) 21.74,108.84 21.32,108.84 arc(21.18,108.78) 21.12,108.64 21.12,108.42 arc(21.18,108.27) 21.32,108.21 arc(21.47,108.15) 21.53,108 21.53,107.67 26.7,102.5 v1(26.7,98.2)
Board_0-/CON.DP1-: length 29.2
  Top w0.151: J4.39 21.53,123.07 22.6,122 22.6,121.1 23.9,119.8 23.9,110.48 arc(23.83,110.31) 23.66,110.24 23.44,110.24 arc(23.27,110.17) 23.2,110 23.2,109.88 arc(23.27,109.71) 23.44,109.64 23.66,109.64 arc(23.83,109.57) 23.9,109.4 23.9,109.28 arc(23.83,109.11) 23.66,109.04 23.44,109.04 arc(23.27,108.97) 23.2,108.8 23.2,108.68 arc(23.27,108.51) 23.44,108.44 23.66,108.44 arc(23.83,108.37) 23.9,108.2 23.9,108.08 arc(23.83,107.91) 23.66,107.84 23.44,107.84 arc(23.27,107.77) 23.2,107.6 23.2,107.48 arc(23.27,107.31) 23.44,107.24 23.66,107.24 arc(23.83,107.17) 23.9,107 23.9,105.3 26.7,102.5 J1#2.24
Board_0-/CON.I/O+: length 27.9
  Top w0.151: J1#2.85 v1(51.5,98.2)
  Bottom w0.151: v1(51.5,98.2) 51.5,102.5 53.28,104.28 53.28,108 arc(53.21,108.17) 53.04,108.24 53.03,108.24 arc(52.86,108.31) 52.79,108.48 52.79,108.6 arc(52.86,108.77) 53.03,108.84 53.53,108.84 arc(53.7,108.91) 53.77,109.08 53.77,109.2 arc(53.7,109.37) 53.53,109.44 53.03,109.44 arc(52.86,109.51) 52.79,109.68 52.79,109.8 arc(52.86,109.97) 53.03,110.04 53.53,110.04 arc(53.7,110.11) 53.77,110.28 53.77,110.4 arc(53.7,110.57) 53.53,110.64 53.03,110.64 arc(52.86,110.71) 52.79,110.88 52.79,111 arc(52.86,111.17) 53.03,111.24 53.53,111.24 arc(53.7,111.31) 53.77,111.48 53.77,111.6 arc(53.7,111.77) 53.53,111.84 53.52,111.84 arc(53.35,111.91) 53.28,112.08 J4.30
